# Altium PCB PowerAMP.PcbDoc (part 3 of 4)
Units mm, origin at the board's own origin, x right, y up, seen from the top; angles counter-clockwise.
Board outline 211.5 x 142.58 mm, 2 copper layers (Top Layer, Bottom Layer), stack 1.635 mm thick; 274 components, 177 nets, 874 pads, 679 vias.
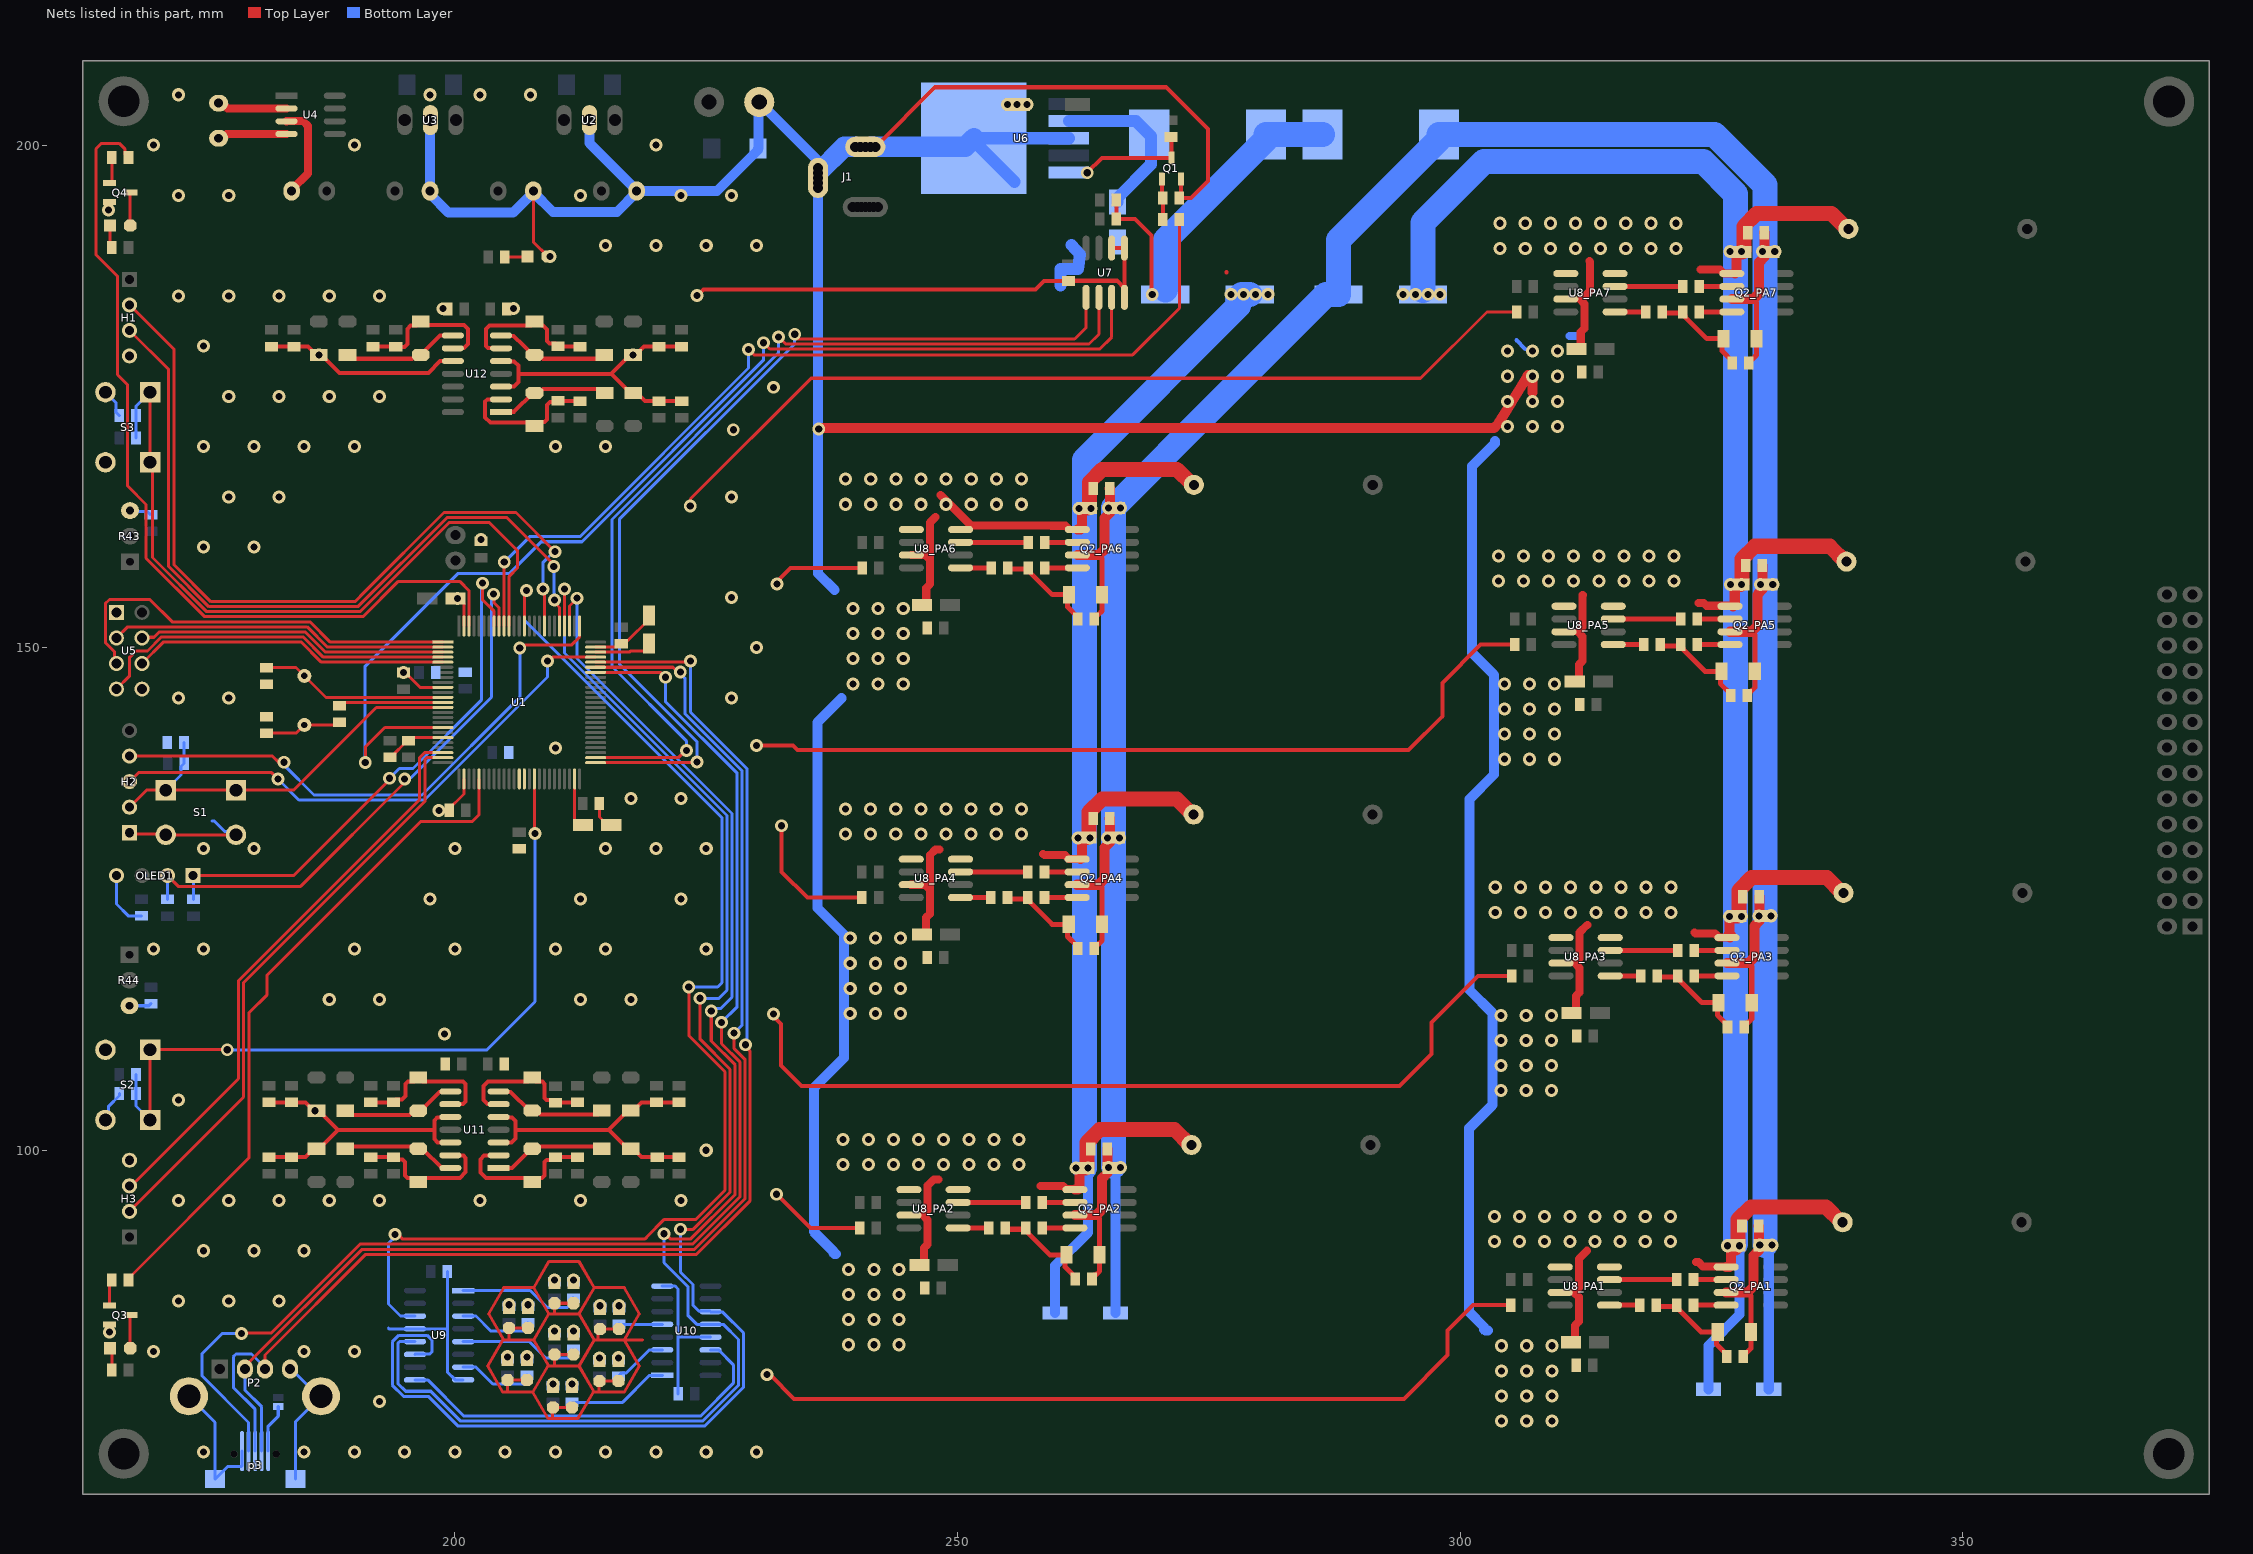
[diagram p3: the nets of this part, all layers, seen from the top]

## Via types
v1: diameter 1.3, hole 0.7, Top Layer to Bottom Layer, tented both sides, 556 vias
v2: diameter 1.27, hole 0.711, Top Layer to Bottom Layer, tented both sides, 92 vias
v3: diameter 1.27, hole 0.7, Top Layer to Bottom Layer, tented both sides, 31 vias

## Nets (pads, with @x,y where several pads share a name; then routed paths per layer and width w, separated by ;. In a path a pad name is that pad's centre, name@x,y a point inside that pad or via, vN(x,y) a via of type N, cw(c..) or ccw(c..) an arc to the next point about the centre after c; other vN are vias at no path point) (continued)
GND: C1.2 C2.2 C3.2 C4.2 C5.1 C7.2 C8.2 C9.2 C11.1 C12.1 C13.1 C14.1 C15.1 C16.1 C17.2 C18.1 C19.1 C20.1 C21.1 C22.2 C23.2 C24.1 C25.2 C26_PA1.2 C26_PA2.2 C26_PA3.2 C26_PA4.2 C26_PA5.2 C26_PA6.2 C26_PA7.2 C27_PA1.2 C27_PA2.2 C27_PA3.2 C27_PA4.2 C27_PA5.2 C27_PA6.2 C27_PA7.2 C28_PA1.2 C28_PA2.2 C28_PA3.2 C28_PA4.2 C28_PA5.2 C28_PA6.2 C28_PA7.2 C29_PA1.2 C29_PA2.2 C29_PA3.2 C29_PA4.2 C29_PA5.2 C29_PA6.2 C29_PA7.2 C31.1 C32.1 C33.1 C34.1 C35.1 C36.1 C37.1 C38.1 C39.1 C40.1 C41.1 C42.2 C43.1 C44.1 C45.1 C46.1 C47.1 C48.2 C49.2 C50.2 D3.1 D6.1 D11.1 D12.1 D17.1 D18.1 D23.1 D24.1 D29.1 H1.4 H2.1 H3.4 J1.2 J1.3 LED1.2 LED2_L1.2 LED2_L2.2 LED2_L3.2 LED2_L4.2 LED2_L5.2 LED2_L6.2 LED2_L7.2 LED3_L1.2 LED3_L2.2 LED3_L3.2 LED3_L4.2 LED3_L5.2 LED3_L6.2 LED3_L7.2 OLED1.4 P2.4 p3.5 Q1.2 Q2_PA1.1 Q2_PA2.1 Q2_PA3.1 Q2_PA4.1 Q2_PA5.1 Q2_PA6.1 Q2_PA7.1 Q3.2 Q4.2 R4.1 R8.1 R13_PA1.2 R13_PA2.2 R13_PA3.2 R13_PA4.2 R13_PA5.2 R13_PA6.2 R13_PA7.2 R14_PA1.1 R14_PA2.1 R14_PA3.1 R14_PA4.1 R14_PA5.1 R14_PA6.1 R14_PA7.1 R15.1 R22.1 R23.1 R28.1 R29.1 R34.1 R35.1 R40.1 R43.2 R44.2 S1.2 S2.2 S3.2 T1.1 U1.10 U1.20 U1.27 U1.74 U1.99 U2.2 U3.2 U4.3 U5.1 U6.3 U7.4 U7.5 U7.6 U8_PA1.1 U8_PA1.3 U8_PA1.8 U8_PA2.1 U8_PA2.3 U8_PA2.8 U8_PA3.1 U8_PA3.3 U8_PA3.8 U8_PA4.1 U8_PA4.3 U8_PA4.8 U8_PA5.1 U8_PA5.3 U8_PA5.8 U8_PA6.1 U8_PA6.3 U8_PA6.8 U8_PA7.1 U8_PA7.3 U8_PA7.8 U9.8 U9.13 U10.8 U10.13 U11.3 U11.5 U11.10 U11.12 U12.3 U12.5 U12.10 | length 1712.8
  Top Layer w0.3: H2.1@167.49,131.45 H2.1@167.625,131.585 167.76,131.45 171.16,131.45 S1.2@171.233,131.378 S1.2@178.218,131.378 ; C17.2@193.55,139.075 193.725,139.075 194.05,139.4 194.05,139.55 194.875,140.375 194.875,140.4 195.2,140.725 C14.1@195.375,140.725 ; v3(194.875,147.525) 195.2,147.2 195.375,147.2 196.525,146.05 U1.10@198.8,146.05 ; C14.1@195.375,140.75 195.675,141.05 U1.20@198.8,141.05 ; v3(198.4,133.8) 199.25,133.8 200.9,135.45 U1.27@200.9,136.95 ; v2(198.825,183.725) 199.231,183.725 C39.1@199.266,183.69 ; C25.2@200.05,154.9 v3(200.25,154.9) 200.45,154.9 200.9,154.45 U1.99@200.9,152.15 ; R8.1@202.6,160.575 v2(202.6,160.75) ; 204.85,81.127 203.35,83.725 204.85,86.323 207.85,86.323 209.35,83.725 ; 205.15,75.927 205.25,76.027 LED3_L7.2@205.25,77.129 LED2_L7.2@207.15,77.129 LED2_L7.2@207.25,77.129 ; C38.1@205.166,183.69 205.226,183.75 v2(205.825,183.75) ; 205.325,81.123 205.375,81.173 LED3_L1.2@205.375,82.329 LED2_L1.2@207.275,82.329 LED2_L1.2@207.375,82.329 ; 207.75,75.927 204.75,75.927 203.25,78.525 204.75,81.123 207.75,81.123 ; C3.2@207.8,195.425 207.8,190.35 LED1.2@209.225,188.925 ; 207.85,86.325 209.35,88.923 212.35,88.923 213.85,86.325 212.35,83.727 ; 209.25,78.523 207.75,75.925 209.25,73.327 212.25,73.327 213.75,75.925 ; 209.7,73.327 209.7,74.379 LED3_L6.2@209.75,74.429 LED2_L6.2@211.65,74.429 LED2_L6.2@211.75,74.429 ; 209.8,78.527 209.9,78.627 LED3_L4.2@209.9,79.679 LED2_L4.2@211.8,79.679 LED2_L4.2@211.9,79.679 ; 209.85,83.723 209.9,83.773 LED3_L2.2@209.9,84.779 LED2_L2.2@211.8,84.779 LED2_L2.2@211.9,84.779 ; 212.35,78.529 213.85,75.931 216.85,75.931 218.35,78.529 216.85,81.127 ; 213.85,81.127 216.85,81.127 ; 213.85,86.323 216.85,86.323 218.35,83.725 216.85,81.127 ; U1.74@214,150.05 216.05,150.05 216.325,150.325 C21.1@216.325,150.45 ; 214.225,81.127 214.225,82.004 LED3_L3.2@214.425,82.204 LED2_L3.2@216.325,82.204 LED2_L3.2@216.425,82.204 ; 214.35,75.931 214.35,77.004 LED3_L5.2@214.375,77.029 LED2_L5.2@216.275,77.029 LED2_L5.2@216.375,77.029 ; C16.1@214.375,134.5 214.375,133.15 215.15,132.375 C23.2@215.55,132.375 ; C21.1@216.55,150.375 216.875,150.7 217.2,150.7 219.3,152.8 C22.2@219.3,153.2 ; 218.675,81.125 218.673,81.127 216.85,81.127 ; v2(223.414,164.086) 223.446,164.118 223.446,164.804 235.443,176.8 296.068,176.8 302.668,183.4 R13_PA7.2@305.618,183.4 ; 207.85,81.125 209.35,78.527 212.35,78.527 213.85,81.125 212.35,83.723 209.35,83.723 207.85,81.125
  Top Layer w0.4: C37.1@181.5,99.323 R40.1@183.75,99.323 185.125,99.323 185.95,100.148 D29.1@186.225,100.148 186.5,100.148 188.39,102.038 ; C35.1@181.5,104.753 R34.1@183.75,104.753 185.125,104.753 185.95,103.928 v3(186.088,103.928) D23.1@186.225,103.928 186.5,103.928 188.39,102.038 ; C36.1@181.741,179.955 R35.1@183.991,179.955 185.366,179.955 186.191,179.13 v3(186.466,179.13) 186.741,179.13 188.531,177.34 197.351,177.34 198.519,178.509 199.789,178.509 U12.10@199.791,178.51 ; U11.12@199.55,100.768 199.549,100.769 198.279,100.769 197.95,101.098 197.95,102.038 ; U11.10@199.55,103.308 199.512,103.269 198.242,103.269 197.95,102.978 197.95,102.038 ; U11.3@204.35,100.768 204.37,100.788 205.64,100.788 206.025,101.173 206.025,102.038 ; U11.5@204.35,103.308 204.388,103.269 205.658,103.269 206.025,102.903 206.025,102.038 ; U12.3@204.591,175.97 204.611,175.99 205.881,175.99 206.316,176.425 206.316,177.24 ; U12.5@204.591,178.51 204.629,178.472 205.899,178.472 206.316,178.055 206.316,177.24 ; C31.1@222.3,99.323 R22.1@220.125,99.323 218.575,99.323 217.75,100.148 D11.1@217.475,100.148 217.2,100.148 215.31,102.038 ; C33.1@222.3,104.763 R28.1@220.05,104.763 218.575,104.763 217.75,103.938 D17.1@217.475,103.938 217.2,103.938 215.31,102.048 215.31,102.038 ; C34.1@222.541,179.955 R29.1@220.291,179.955 218.816,179.955 217.991,179.13 v3(217.716,179.13) 217.441,179.13 215.551,177.24 ; C32.1@222.566,174.525 R23.1@220.316,174.525 218.931,174.525 218.506,174.95 218.141,174.95 D12.1@217.741,175.35 217.466,175.35 215.576,177.24 215.551,177.24 ; v3(224.075,185.025) 224.144,185.025 224.744,185.625 257.744,185.625 258.594,186.475 C11.1@261.025,186.475 261.05,186.5 265.855,186.5 U7.4@266.605,185.75 ; v2(230.011,140.26) 233.644,140.26 234.079,139.825 294.875,139.825 298.225,143.175 298.225,146.499 302.035,150.309 R13_PA5.2@305.437,150.309 ; v2(231.05,77.675) 231.35,77.675 233.75,75.275 294.403,75.275 298.75,79.622 298.75,82.072 301.26,84.582 R13_PA1.2@305.055,84.582 ; v2(231.7,113.55) 231.7,113.315 232.451,112.563 232.451,108.421 234.472,106.4 293.96,106.4 297.15,109.59 297.15,112.699 301.796,117.345 R13_PA3.2@305.136,117.345 ; v2(232,95.625) 235.358,92.267 R13_PA2.2@240.265,92.267 ; v2(232.05,156.325) 232.05,156.6 233.391,157.941 R13_PA6.2@240.507,157.941 ; v2(232.5,132.275) 232.5,127.7 235.056,125.144 R13_PA4.2@240.493,125.144 ; R13_PA2.2@240.148,92.325 R13_PA2.2@240.265,92.442 ; R13_PA6.2@240.341,157.95 R13_PA6.2@240.507,158.116 ; J1.2@240.825,199.825 J1.2@241.825,199.825 247.75,205.75 270.725,205.75 274.9,201.575 274.9,196.4 273.25,194.75 R4.1@272.075,194.75 272.225,194.9 Q1.2@272.225,196.625 ; U7.6@265.335,189.75 U7.5@266.605,189.75 U7.4@266.605,185.75 ; U7.4@266.605,184.85 U7.4@266.605,185.75 ; 276.75,187.35 276.775,187.325 ; 188.39,102.038 197.95,102.038 ; 206.025,102.038 215.31,102.038 ; 206.316,177.24 215.551,177.24
  Top Layer w0.8: U4.3@183.25,202.365 183.26,202.375 184.906,202.375 185.375,201.906 185.375,197.177 183.75,195.552 C5.1@183.75,195.425 ; U8_PA4.3@245.393,126.414 246.775,126.414 247.243,125.945 ; U8_PA6.3@245.407,159.211 246.789,159.211 247.257,158.742 ; C26_PA2.2@246.228,88.584 246.447,88.584 246.647,88.783 246.647,90.267 247.015,90.635 247.015,93.068 246.547,93.537 247.015,94.006 247.015,96.475 247.64,97.1 248.125,97.1 ; C26_PA4.2@246.456,121.461 246.675,121.461 246.875,121.66 246.875,123.144 247.243,123.512 247.243,125.945 ; C26_PA6.2@246.47,154.258 246.689,154.258 246.889,154.457 246.889,155.941 247.257,156.309 247.257,158.742 ; 247.8,163 247.257,162.457 247.257,158.742 ; 248.225,129.925 247.818,129.925 247.243,129.35 247.243,125.945 ; 248.3,165.179 251.329,162.15 259.319,162.15 259.344,162.125 260.743,162.125 Q2_PA6.1@261.067,161.801 ; 258.275,96.45 260.502,96.45 260.825,96.127 261.625,96.127 Q2_PA2.1@261.675,96.077 ; 258.525,129.475 258.65,129.35 260.707,129.35 261.103,128.954 Q2_PA4.1@261.903,128.954 Q2_PA4.1@262.224,128.954 ; C26_PA1.2@311.018,80.899 311.237,80.899 311.437,81.098 311.437,82.582 311.805,82.95 311.805,85.383 311.337,85.852 311.805,86.321 311.805,89.18 312.625,90 ; C26_PA3.2@311.099,113.662 311.318,113.662 311.518,113.861 311.518,115.345 311.886,115.713 311.886,118.146 311.418,118.615 311.886,119.084 311.886,121.661 312.65,122.425 ; C26_PA5.2@311.4,146.626 311.619,146.626 311.819,146.825 311.819,148.309 312.187,148.677 312.187,151.11 311.719,151.579 312.187,152.048 312.187,155.237 312.2,155.25 ; C26_PA7.2@311.581,179.717 311.8,179.717 312,179.916 312,181.4 312.368,181.768 312.368,184.201 311.9,184.67 312.12,184.67 312.925,185.475 312.925,188.375 312.85,188.45 ; 323.3,121.675 323.425,121.55 325.351,121.55 325.746,121.155 Q2_PA3.1@326.546,121.155 Q2_PA3.1@326.867,121.155 ; 323.475,88.875 323.704,88.875 324.137,88.442 326.415,88.442 Q2_PA1.1@326.465,88.392 ; 323.725,154.45 324.238,154.45 324.519,154.169 327.118,154.169 Q2_PA5.1@327.168,154.119 ; 323.925,187.625 323.95,187.6 325.838,187.6 326.228,187.21 Q2_PA7.1@327.028,187.21 Q2_PA7.1@327.349,187.21
  Top Layer w1: C2.2@197.525,195.425 C2.2@197.537,195.438 ; U3.2@197.537,202.462 U3.2@197.55,202.475 ; v2(236.2,171.75) 236.285,171.835 303.347,171.835 303.821,172.309 303.824,172.315 303.922,172.475 304.936,174.135 305.034,174.296 305.616,175.248 306.728,177.068 306.768,177.132 307.205,176.695 307.205,175.399 ; Q2_PA2.1@261.675,96.077 261.996,96.077 262.146,96.227 262.146,98.137 262.246,98.236 C28_PA2.2@262.617,98.236 ; Q2_PA6.1@261.917,161.751 262.238,161.751 262.388,161.901 262.388,163.811 262.488,163.91 C28_PA6.2@262.859,163.91 ; Q2_PA4.1@262.224,128.954 262.374,129.104 262.374,131.014 262.474,131.113 C28_PA4.2@262.845,131.113 ; Q2_PA1.1@326.465,88.392 326.786,88.392 326.936,88.542 326.936,90.452 327.036,90.551 C28_PA1.2@327.407,90.551 ; Q2_PA3.1@326.867,121.155 327.017,121.305 326.75,121.572 326.8,121.622 v1(326.8,123.25) 327.424,123.25 C28_PA3.2@327.488,123.314 ; Q2_PA5.1@327.168,154.119 327.318,154.269 327.318,156.179 327.418,156.278 C28_PA5.2@327.789,156.278 ; Q2_PA7.1@327.349,187.21 327.499,187.36 327.499,189.27 327.599,189.369 C28_PA7.2@327.97,189.369
  Top Layer w1.5: C28_PA2.2@262.617,98.236 262.716,98.236 262.866,98.387 262.866,100.782 264.131,102.046 271.606,102.046 273.13,100.522 R14_PA2.1@273.265,100.522 ; C28_PA4.2@262.845,131.113 262.944,131.113 263.094,131.264 263.094,133.659 264.359,134.923 271.834,134.923 273.358,133.399 R14_PA4.1@273.493,133.399 ; C28_PA6.2@262.859,163.91 262.958,163.91 263.108,164.061 263.108,166.456 264.373,167.72 271.848,167.72 273.372,166.196 R14_PA6.1@273.507,166.196 ; C28_PA1.2@327.406,90.297 327.407,90.298 C28_PA1.2@327.407,90.551 327.506,90.551 327.656,90.702 327.656,93.097 328.921,94.361 336.396,94.361 337.92,92.837 R14_PA1.1@338.055,92.837 ; C28_PA3.2@327.488,123.314 327.587,123.314 327.737,123.465 327.737,125.86 329.002,127.124 336.477,127.124 338.001,125.6 R14_PA3.1@338.136,125.6 ; C28_PA5.2@327.789,156.278 327.888,156.278 328.038,156.429 328.038,158.824 329.303,160.088 336.778,160.088 338.302,158.564 R14_PA5.1@338.437,158.564 ; C28_PA7.2@327.97,189.369 328.069,189.369 328.219,189.52 328.219,191.915 329.484,193.179 336.959,193.179 338.483,191.655 R14_PA7.1@338.618,191.655
  Bottom Layer w0.3: S2.2@165.228,103.007 165.559,103.339 165.559,104.384 166.625,105.45 C43.1@166.625,105.625 ; S3.2@165.228,175.418 166.3,174.345 166.3,173.4 C44.1@166.625,173.075 ; OLED1.4@166.335,127.325 166.335,124.49 167.5,123.325 C47.1@168.8,123.325 ; R44.2@167.625,114.375 169.55,114.375 C46.1@169.75,114.575 ; R43.2@167.675,163.64 167.765,163.55 169.425,163.55 C45.1@169.75,163.225 ; P2.4@173.535,75.525 176.125,72.935 p3.5@176.125,67.275 177.399,68.549 178.779,68.549 178.825,68.595 p3.5@178.825,70.075 ; 175.85,132.775 176.025,132.775 177.091,131.709 177.886,131.709 S1.2@178.218,131.378 ; P2.4@183.605,78.235 183.71,78.235 186.42,75.525 P2.4@186.675,75.525 184.125,72.975 p3.5@184.125,67.275 ; 193.375,82.3 193.44,82.235 U9.13@196.025,82.235 199.185,82.235 199.25,82.3 ; C4.2@199.25,87.95 199.25,82.3 ; U9.8@200.825,77.155 200.025,77.155 199.25,77.93 199.25,82.3 ; U10.8@220.625,86.49 221.91,86.49 222.2,86.2 222.2,81.375 ; C42.2@222.2,75.775 222.2,81.375 ; U10.13@225.425,81.41 222.235,81.41 222.2,81.375
  Bottom Layer w0.4: 235.675,92.177 235.7,92.152 235.7,91.9 235.7,91.752 ; 236.075,125.157 236.075,125.2 ; 236.125,157.95 236.3,157.95 ; 301.266,150.5 301.35,150.416 301.35,150.225 ; 305.618,180.581 306.478,179.721
  Bottom Layer w0.8: 310.875,181.025 311.498,181.025
  Bottom Layer w1: U3.2@197.55,202.475 197.537,202.462 197.537,195.438 C2.2@197.525,195.425 197.525,195.122 199.372,193.275 205.777,193.275 207.587,195.085 207.587,195.212 C3.2@207.8,195.425 207.8,195.298 209.748,193.35 216.127,193.35 218.075,195.298 C1.2@218.075,195.425 ; U2.2@213.385,202.475 213.385,200.19 218.075,195.5 C1.2@218.075,195.425 ; 235.7,91.9 237.59,90.01 237.59,89.862 237.752,89.7 237.9,89.7 ; 235.7,92.152 235.7,106.2 238.7,109.2 238.7,121.465 236.075,124.09 236.075,125.157 ; 236.075,125.2 236.075,133.847 236.05,133.872 236.05,142.562 238.45,144.962 238.45,144.975 ; 237.775,155.725 236.125,157.375 236.125,157.95 J1.3@236.125,195.725 J1.3@236.125,196.225 236.075,196.275 236.075,198.475 T1.1@230.275,204.275 230.213,204.212 230.213,199.713 D3.1@230.15,199.65 230.15,199.5 226.075,195.425 C1.2@218.075,195.425 ; C49.2@259.702,83.8 259.702,88.527 262.993,91.818 v1(262.993,98.249) ; 302.75,82.05 302.507,82.05 302.38,82.177 302.38,82.42 300.875,83.925 300.875,95.664 300.9,95.689 300.9,102.187 303.2,104.487 303.2,113.666 300.925,115.941 300.925,134.925 303.375,137.375 303.375,147.3 301.2,149.475 301.2,168.06 303.45,170.31 303.45,170.575 ; C48.2@324.702,76.225 324.702,80.552 327.8,83.65 v1(327.8,90.5)
  Bottom Layer w1.2: U6.3@255.676,196.351 251.627,200.4 U6.3@251.627,200.675 U6.3@261.075,200.675 ; 260.237,186.037 260.237,187.65 261.999,187.65 262.184,189.104 261.338,190.046
  Bottom Layer w2: J1.3@236.125,197.225 238.725,199.825 J1.2@239.825,199.825 ; J1.2@241.325,199.825 250.777,199.825 U6.3@251.627,200.675
  Bottom Layer w2.5: v1@262.617,98.236 262.617,168.667 277.925,183.975 277.925,184.775 278.275,185.125 C8.2@279.075,185.125 ; C9.2@296.3,185.525 296.3,192.275 302.375,198.35 324.19,198.35 327.406,195.134 327.406,184.95 327.406,156.3 327.406,123.25 v1@327.406,90.678
  other v1: 175,70 185,70 190,70 195,70 200,70 205,70 210,70 215,70 220,70 225,70 230,70 304.125,73.05 306.625,73.05 309.125,73.05 192.5,75 304.125,75.55 306.625,75.55 309.125,75.55 304.125,78.05 306.625,78.05 309.125,78.05 170,80 185,80 190,80 304.125,80.55 306.625,80.55 309.125,80.55 239.175,80.65 241.675,80.65 244.175,80.65 239.175,83.15 241.675,83.15 244.175,83.15 172.5,85 177.5,85 182.5,85 239.175,85.65 241.675,85.65 244.175,85.65 239.175,88.15 241.675,88.15 244.175,88.15 175,90 180,90 185,90 326.6,90.5 303.415,90.903 305.915,90.903 308.415,90.903 310.915,90.903 313.415,90.903 315.915,90.903 318.415,90.903 320.915,90.903 303.415,93.403 305.915,93.403 308.415,93.403 310.915,93.403 313.415,93.403 315.915,93.403 318.415,93.403 320.915,93.403 172.5,95 177.5,95 182.5,95 187.5,95 192.5,95 202.5,95 212.5,95 222.5,95 261.793,98.249 238.625,98.588 241.125,98.588 243.625,98.588 246.125,98.588 248.625,98.588 251.125,98.588 253.625,98.588 256.125,98.588 225,100 238.625,101.088 241.125,101.088 243.625,101.088 246.125,101.088 248.625,101.088 251.125,101.088 253.625,101.088 256.125,101.088 172.5,105 304.075,105.925 306.575,105.925 309.075,105.925 304.075,108.425 306.575,108.425 309.075,108.425 304.075,110.925 306.575,110.925 309.075,110.925 304.075,113.425 306.575,113.425 309.075,113.425 239.325,113.6 241.825,113.6 244.325,113.6 187.5,115 192.5,115 212.5,115 217.5,115 239.325,116.1 241.825,116.1 244.325,116.1 239.325,118.6 241.825,118.6 244.325,118.6 170,120 175,120 190,120 200,120 210,120 215,120 225,120 239.325,121.1 241.825,121.1 244.325,121.1 328,123.25 303.496,123.666 305.996,123.666 308.496,123.666 310.996,123.666 313.496,123.666 315.996,123.666 318.496,123.666 320.996,123.666 197.5,125 212.5,125 222.5,125 303.496,126.166 305.996,126.166 308.496,126.166 310.996,126.166 313.496,126.166 315.996,126.166 318.496,126.166 320.996,126.166 175,130 180,130 200,130 215,130 220,130 225,130 261.993,131.049 263.193,131.049 238.853,131.465 241.353,131.465 243.853,131.465 246.353,131.465 248.853,131.465 251.353,131.465 253.853,131.465 256.353,131.465 238.853,133.965 241.353,133.965 243.853,133.965 246.353,133.965 248.853,133.965 251.353,133.965 253.853,133.965 256.353,133.965 217.5,135 222.5,135 304.4,138.9 306.9,138.9 309.4,138.9 210,140 304.4,141.4 306.9,141.4 309.4,141.4 304.4,143.9 306.9,143.9 309.4,143.9 172.5,145 177.5,145 227.5,145 239.6,146.4 242.1,146.4 244.6,146.4 304.4,146.4 306.9,146.4 309.4,146.4 239.6,148.9 242.1,148.9 244.6,148.9 230,150 239.6,151.4 242.1,151.4 244.6,151.4 239.6,153.9 242.1,153.9 244.6,153.9 227.5,155 326.9,156.3 328,156.3 303.797,156.63 306.297,156.63 308.797,156.63 311.297,156.63 313.797,156.63 316.297,156.63 318.797,156.63 321.297,156.63 303.797,159.13 306.297,159.13 308.797,159.13 311.297,159.13 313.797,159.13 316.297,159.13 318.797,159.13 321.297,159.13 175,160 180,160 262.093,163.849 263.293,163.849 238.867,164.262 241.367,164.262 243.867,164.262 246.367,164.262 248.867,164.262 251.367,164.262 253.867,164.262 256.367,164.262 177.5,165 182.5,165 227.5,165 238.867,166.762 241.367,166.762 243.867,166.762 246.367,166.762 248.867,166.762 251.367,166.762 253.867,166.762 256.367,166.762 175,170 180,170 185,170 190,170 210,170 215,170 304.7,172 307.2,172 309.7,172 304.7,174.5 307.2,174.5 309.7,174.5 177.5,175 182.5,175 187.5,175 192.5,175 304.7,177 307.2,177 309.7,177 304.7,179.5 307.2,179.5 309.7,179.5 175,180 172.5,185 177.5,185 182.5,185 187.5,185 192.5,185 326.85,189.4 327.975,189.4 303.978,189.721 306.478,189.721 308.978,189.721 311.478,189.721 313.978,189.721 316.478,189.721 318.978,189.721 321.478,189.721 215,190 220,190 225,190 230,190 303.978,192.221 306.478,192.221 308.978,192.221 311.478,192.221 313.978,192.221 316.478,192.221 318.978,192.221 321.478,192.221 172.5,195 177.5,195 212.5,195 222.5,195 227.5,195 170,200 190,200 220,200 172.5,205 197.5,205 202.5,205 207.5,205
  other v3: 165.625,81.9 198.975,111.575 227.7,171.675 231.7,175.9 277.2,185.15 278.45,185.15 279.65,185.15 280.9,185.15 294.325,185.15 295.55,185.15 296.8,185.15 298,185.15 209.45,188.925 165.525,193.525 254.975,204.025 255.937,204.025 256.9,204.025
I2C_SCL: OLED1.2 R48.1 U1.92 | length 56.9
  Top Layer w0.3: OLED1.2@171.415,127.325 172.515,126.225 180.425,126.225 180.45,126.25 184.65,126.25 195.075,136.675 195.075,136.85 195,136.925 v2(195,136.942) ; v2(203.848,155.32) 203.906,155.262 203.906,154.444 204.4,153.95 U1.92@204.4,152.15
  Bottom Layer w0.3: OLED1.2@171.415,127.325 171.415,124.96 R48.1@171.425,124.95 ; v2(195,136.942) 195.093,137.035 195.592,137.035 203.635,145.078 203.635,155.108 v2(203.848,155.32)
I2C_SDA: OLED1.1 R47.1 U1.93 | length 54.8
  Top Layer w0.3: OLED1.1@173.955,127.325 183.975,127.325 193.5,136.85 v2(193.5,137) ; v2(202.753,156.415) 202.725,156.387 202.725,154.782 203.9,153.607 U1.93@203.9,152.15